# Altium PCB BurnerFinderMkI.PcbDoc
Units mm, origin at the board's own origin, x right, y up, seen from the top; angles counter-clockwise.
Board outline 60.05 x 62.65 mm, 2 copper layers (Top Layer, Bottom Layer), stack 1.661 mm thick; 26 components, 16 nets, 125 pads, 32 vias.
Unrouted connection lines stored in the file: 6.
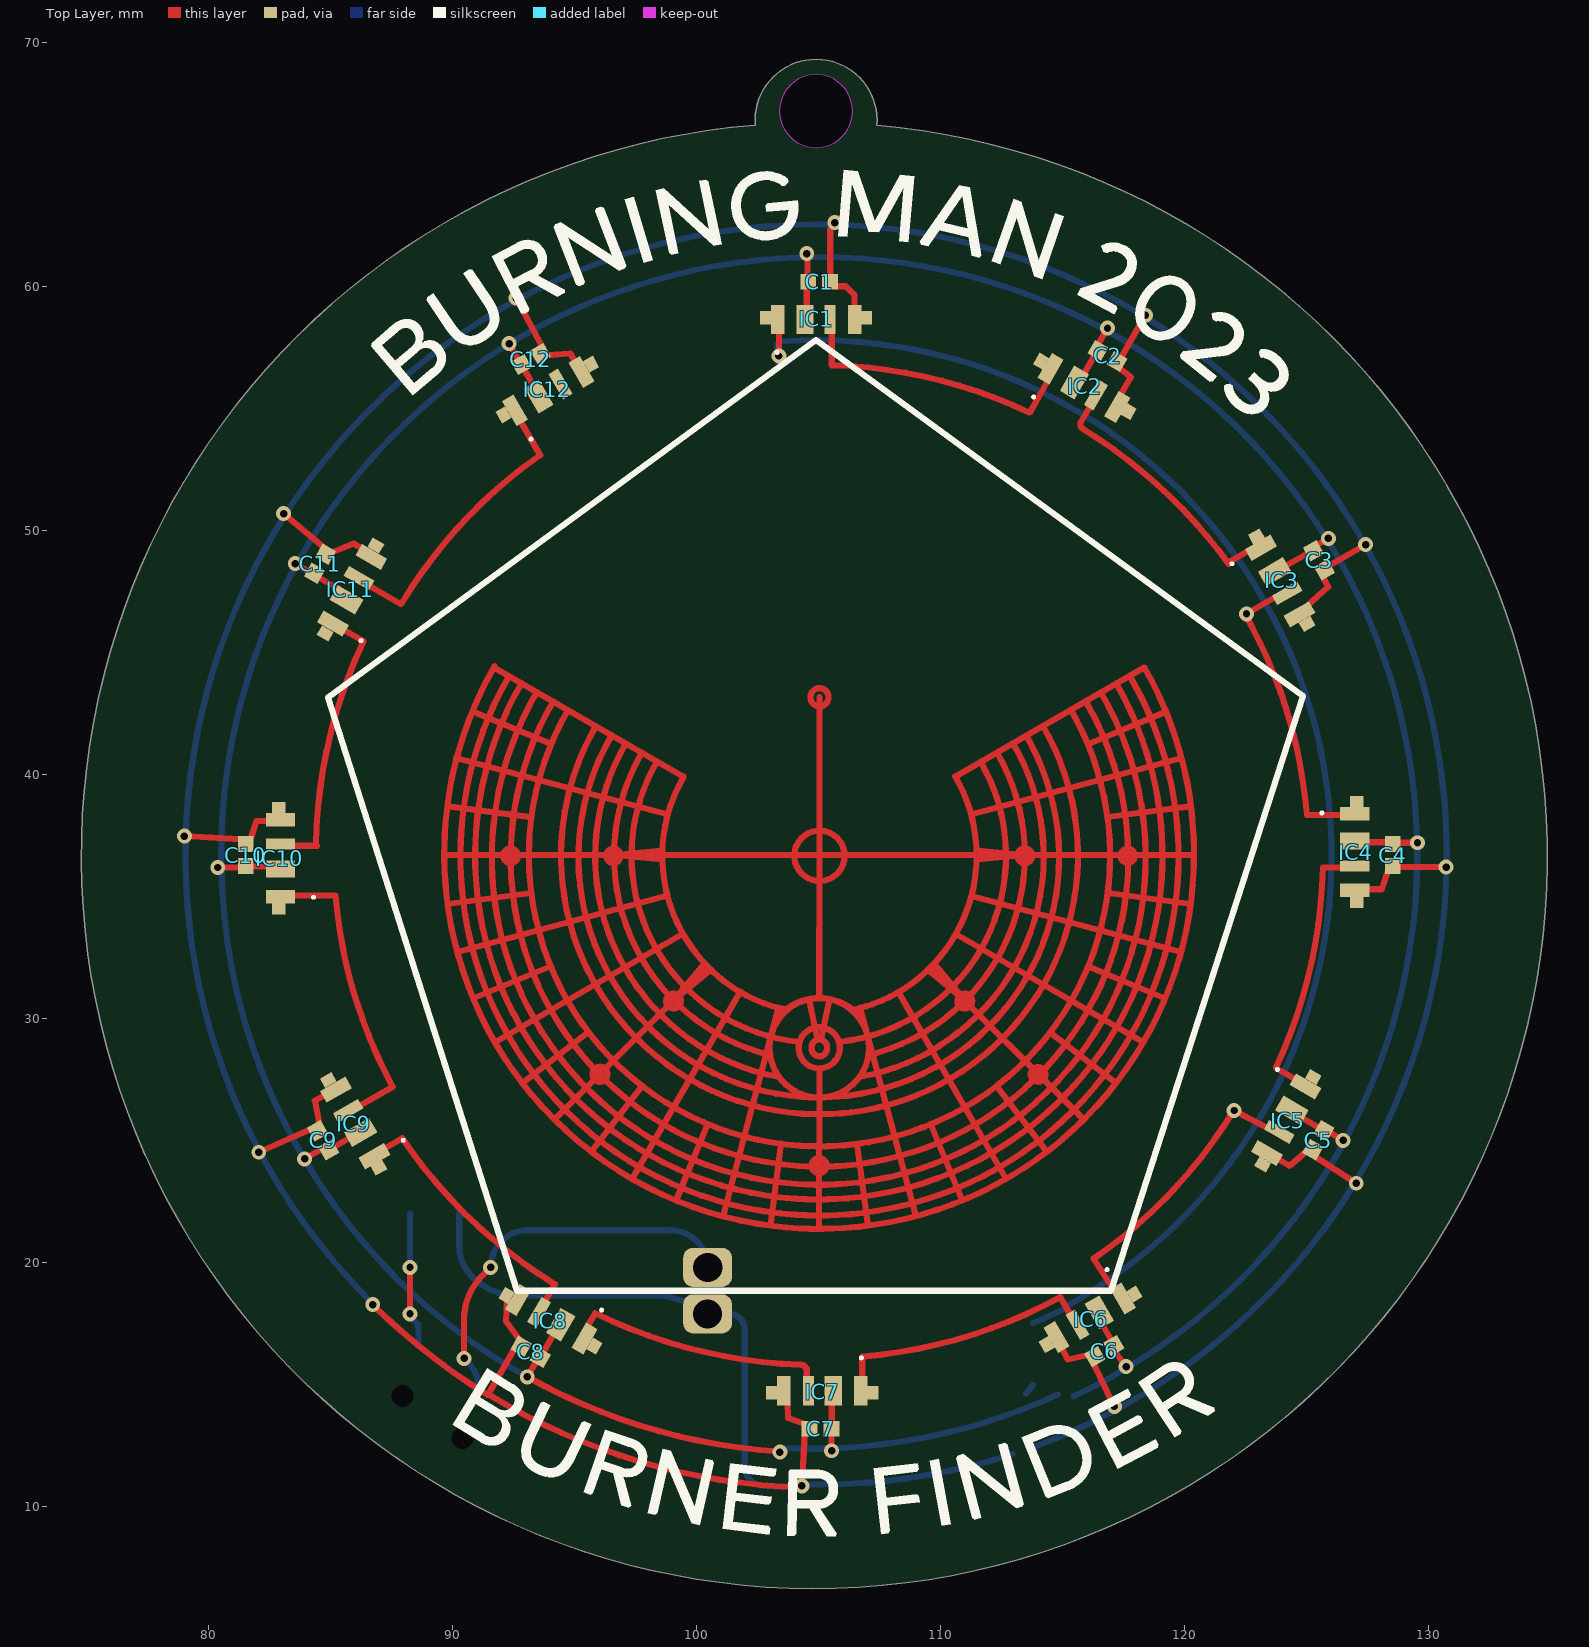
[diagram p0: Top Layer view]
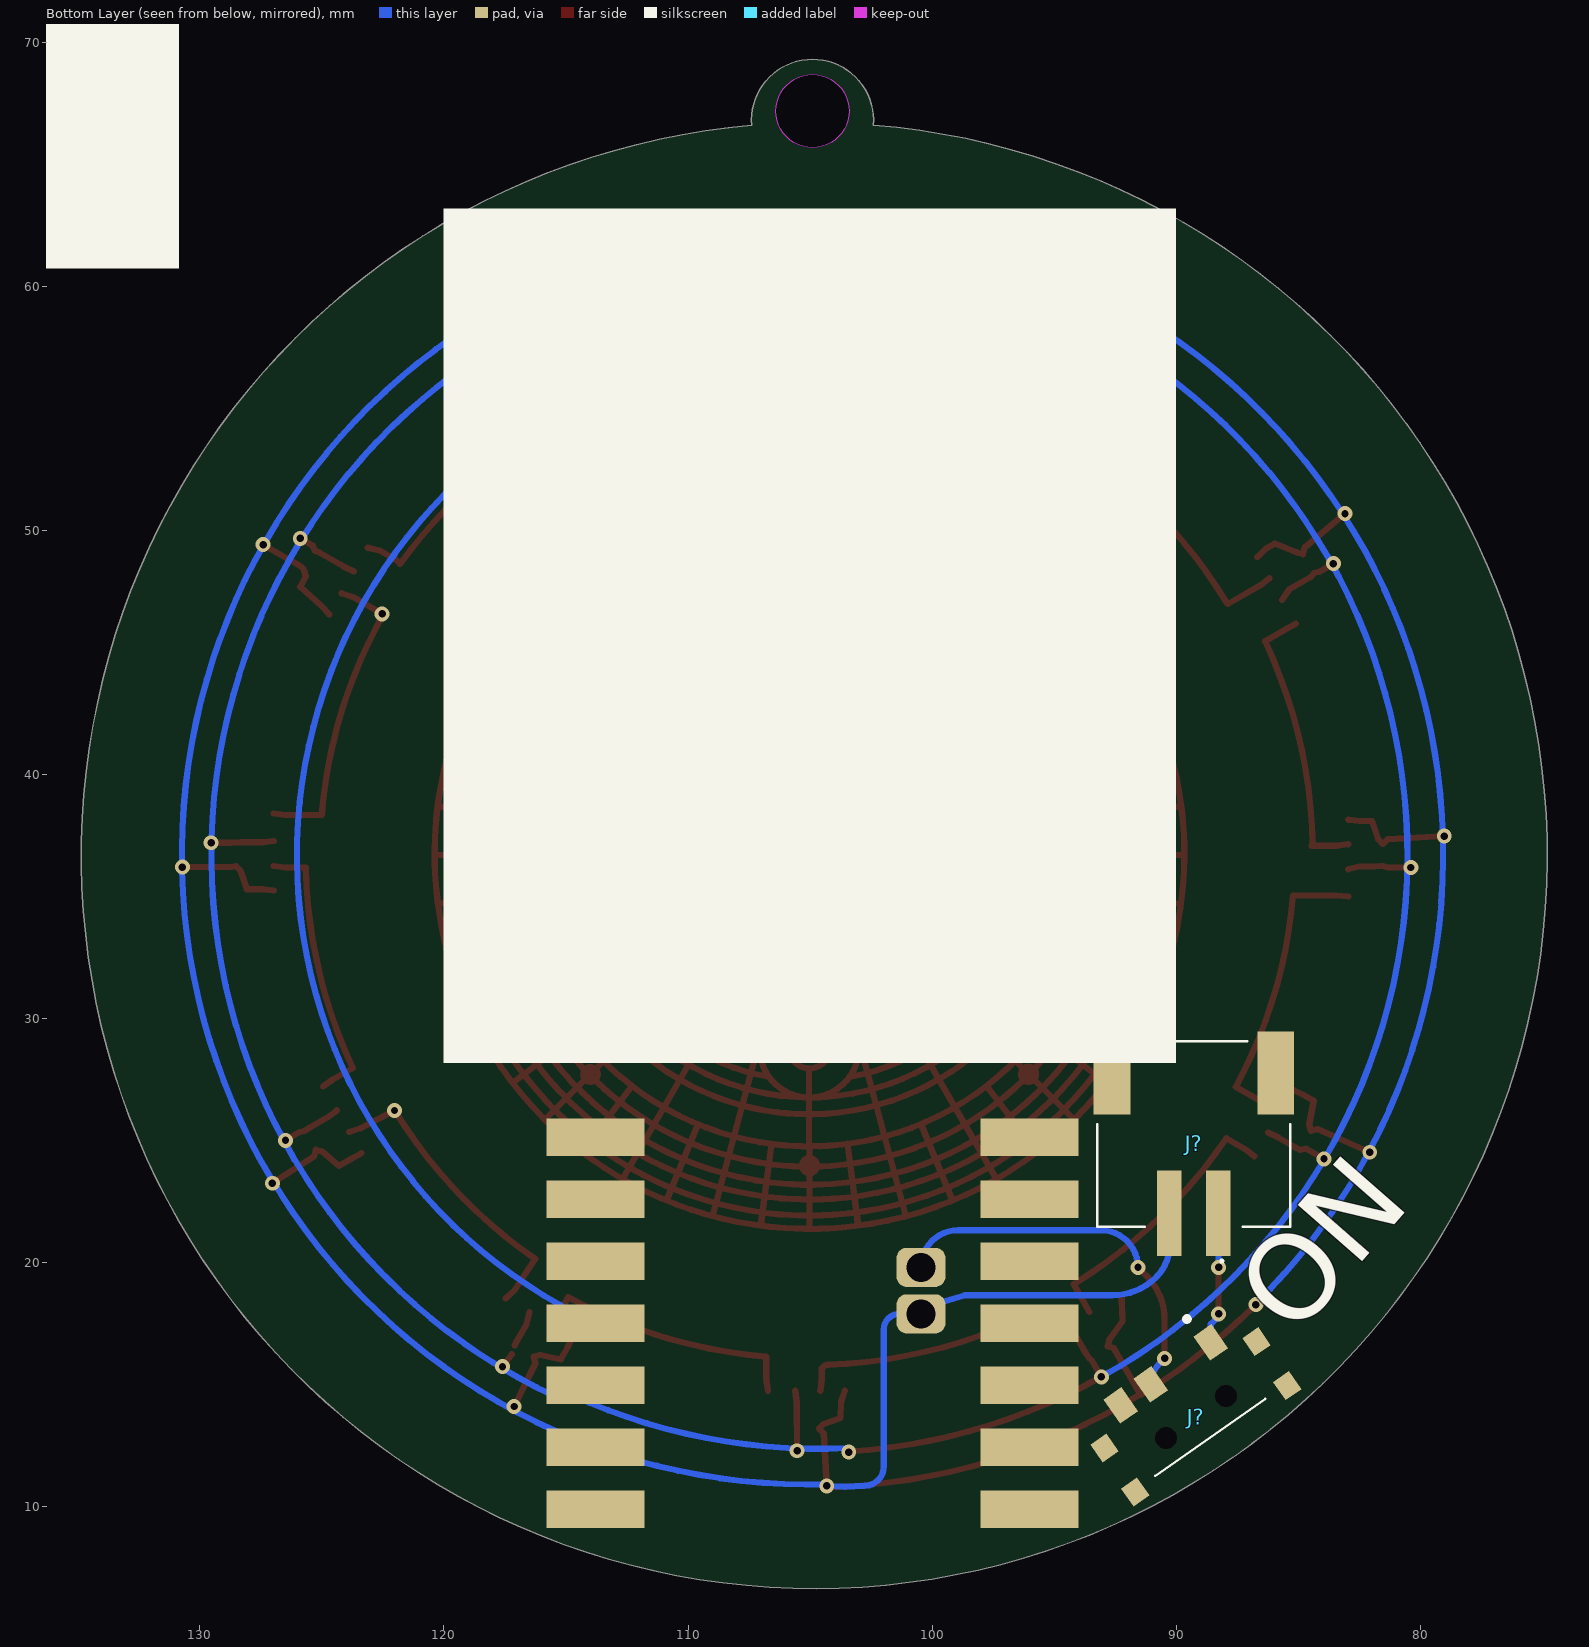
[diagram p1: Bottom Layer view, seen from below]

## Layer stack, top to bottom
Top Solder: solder mask 0.0102, Solder Resist, Dk 3.5
Top Layer: signal copper 0.0356
Dielectric 1: dielectric 1.59, FR-4, Dk 4.8
Bottom Layer: signal copper 0.0356
Bottom Solder: solder mask 0.0102, Solder Resist, Dk 3.5

## Board outline
102.409,66.61 ccw(c104.829,36.68) 107.394,66.598 107.394,66.602 ccw(c104.902,66.802)
cut-out: 103.402,67.183 ccw(c104.902,67.183) 104.902,65.683 ccw(c104.902,67.183) 106.402,67.183 ccw(c104.902,67.183) 104.902,68.683 ccw(c104.902,67.183)

## Design rules (kind name [scope] priority, off if disabled: settings)
Clearance Clearance_1 [All] p1: gap=0.254 ignorepadtopadclearanceinfootprint=FALSE except(0: Arc-Hole Track-Hole SMDPad-Hole THPad-Hole Via-Hole Fill-Hole Poly-Hole Region-Hole Text-Hole)
Clearance [All] p2: gap=0.254 ignorepadtopadclearanceinfootprint=FALSE except(0: Arc-Hole Track-Hole SMDPad-Hole THPad-Hole Via-Hole Fill-Hole Poly-Hole Region-Hole Text-Hole)
PolygonConnect [All] p1: connectstyle=Relief reliefconductorwidth=0.254 reliefentries=4 polygonreliefangle="90 Angle" airgapwidth=0.254
RoutingVias [All] p1: holewidth=0.711 width=1.27 viastyle="Through Hole" minholewidth=0.711 minwidth=1.27 maxholewidth=0.711 maxwidth=1.27
SolderMaskExpansion [All] p1: expansion=0.102 istentingtop=FALSE
Width [All] p1: maxlimit=0.254 minlimit=0.254 preferedwidth=0.254
30 further rules are at their usual default settings.

## Components (designator, comment, footprint, x,y, rotation, side; value= is the part's Value field where it differs from the comment)
C1 "04023A0R8CAT2A" CAPC1005X56N 105.029,60.198 r0 top
C2 "04023A0R8CAT2A" CAPC1005X56N 116.84,57.15 r330 top
C3 "04023A0R8CAT2A" CAPC1005X56N 125.505,48.777 r300 top
C4 "04023A0R8CAT2A" CAPC1005X56N 128.524,36.703 r270 top
C5 "04023A0R8CAT2A" CAPC1005X56N 125.476,25.019 r240 top
C6 "04023A0R8CAT2A" CAPC1005X56N 116.713,16.383 r210 top
C7 "04023A0R8CAT2A" CAPC1005X56N 105.087,13.208 r180 top
C8 "04023A0R8CAT2A" CAPC1005X56N 93.209,16.354 r150 top
C9 "04023A0R8CAT2A" CAPC1005X56N 84.709,25.019 r120 top
C10 "04023A0R8CAT2A" CAPC1005X56N 81.534,36.703 r90 top
C11 "04023A0R8CAT2A" CAPC1005X56N 84.582,48.641 r60 top
C12 "04023A0R8CAT2A" CAPC1005X56N 93.218,57.023 r30 top
IC1 "SK6812_SIDE-A" SK6812SIDEA 104.902,58.547 r0 top
IC2 "SK6812_SIDE-A" SK6812SIDEA 115.824,55.753 r330 top
IC3 "SK6812_SIDE-A" SK6812SIDEA 123.825,47.879 r300 top
IC4 "SK6812_SIDE-A" SK6812SIDEA 126.873,36.83 r270 top
IC5 "SK6812_SIDE-A" SK6812SIDEA 124.079,25.908 r240 top
IC6 "SK6812_SIDE-A" SK6812SIDEA 116.06,17.838 r210 top
IC7 "SK6812_SIDE-A" SK6812SIDEA 105.156,14.859 r180 top
IC8 "SK6812_SIDE-A" SK6812SIDEA 94.107,17.78 r150 top
IC9 "SK6812_SIDE-A" SK6812SIDEA 86.106,25.781 r120 top
IC10 "SK6812_SIDE-A" SK6812SIDEA 83.058,36.576 r90 top
IC11 "SK6812_SIDE-A" SK6812SIDEA 85.979,47.498 r60 top
IC12 "SK6812_SIDE-A" SK6812SIDEA 93.98,55.626 r30 top
J? "SK-3296S-01-L1" SK3296S01L1 89.912,14.711 r145 bottom
J? "S2B-PH-SM4-TB_LF__SN_" S2BPHSM4TBLFSN 89.281,25.273 r180 bottom

## Footprints (in the part's own frame and the unit in brackets; to place one, negate y for a bottom-side part, rotate by r counter-clockwise, add the part's x,y. Pads: shape width x height; smd on the part's side, far side on the other; paste and mask are expansions set on the pad)
CAPC1005X56N [mm]
  rect 0.65x0.64 smd: 1(-0.45,0) 2(0.45,0)
  body extent -0.5,-0.25 0.5,0.25, height 0.56
S2BPHSM4TBLFSN [mm]
  rect 1x3.5 smd: 1(1,-3.25) 2(-1,-3.25)
  rect 1.5x3.4 smd: MP1(3.35,2.5) MP2(-3.35,2.5)
  silkscreen extent -3.95,-5.25 3.95,3.8, body extent 0.05,-0.85 7.95,7.75, height 5.6
SK3296S01L1 [mm]
  rect 0.9x1.2 smd: 1(2.25,0.9) 2(-0.75,0.9) 3(-2.25,0.9)
  round 0.45 hole 0.9 unplated: MH1(-1.5,-1.25) MH2(1.5,-1.25)
  rect 0.8x0.9 smd: MP1(-3.8,-0.15) MP2(3.8,-0.15) MP3(3.8,-2.35) MP4(-3.8,-2.35)
  silkscreen extent -2.75,-2.28 2.75,2.35, body extent -3.85,-4.19 3.95,1.05, height 1.32
SK6812SIDEA [mm]
  rect 0.55x1.2 smd: 1(-1.575,0.1) 4(1.575,0.1)
  rect 0.7x1.2 smd: 2(-0.45,0.1)
  rect 0.45x1.2 smd: 3(0.575,0.1)
  rect 0.45x0.55 smd: 5(-2.075,0.175) 6(2.075,0.175)
  silkscreen extent -1.65,-1.3 -1.55,-1.2, body extent -2,-0.8 2,0.8, height 2.15

## Part data
C1 C2 C3 C4 C5 C6 C7 C8 C9 C10 C11 C12: "Capacitor", Manufacturer_Name=AVX, Mouser Part Number=581-04023A0R8CAT2A, Datasheet Link=http://www.mouser.com/catalog/supplier/library/pdf/AVXSurfaceMountCeramic.pdf, Height=0.56mm, Manufacturer_Part_Number=04023A0R8CAT2A, Mouser Price/Stock=https://www.mouser.co.uk/ProductDetail/AVX/04023A0R8CAT2A?qs=ZwvTZoB9SO%252BVBOZ%252BNMbjzw%3D%3D
IC1 IC2 IC3 IC4 IC5 IC6 IC7 IC8 IC9 IC10 IC11 IC12: "Integrated Circuit", Manufacturer_Name="Shenzhen Normand Electronic", Manufacturer_Part_Number="SK6812 SIDE-A", Datasheet Link=http://www.normandled.com/upload/201810/SK6812%20SIDE-A%20LED%20Datasheet.pdf, Height=2.05mm
J?: "Connector", Manufacturer_Name="XKB Connectivity", Datasheet Link=https://datasheet.lcsc.com/szlcsc/XKB-SK-3296S-01-L1_C319020.pdf, Height=1.4mm, Manufacturer_Part_Number=SK-3296S-01-L1
J?: "Connector", Arrow Part Number=S2B-PH-SM4-TB(LF)(SN), Manufacturer_Name="JST (JAPAN SOLDERLESS TERMINALS)", Arrow Price/Stock=https://www.arrow.com/en/products/s2b-ph-sm4-tb-lf-sn/jst-manufacturing?region=europe, Datasheet Link=https://www.jst-mfg.com/product/pdf/eng/ePH.pdf, Height=6.6mm, Manufacturer_Part_Number=S2B-PH-SM4-TB(LF)(SN)

## Free pads (board coordinates)
  rect 4x1.524 smd far side: 2(96.012,9.906) 2(96.012,12.446) 2(96.012,14.986) 2(96.012,17.526) 2(96.012,20.066) 2(96.012,22.606) 2(96.012,25.146) 2(113.792,9.906) 2(113.792,12.446) 2(113.792,14.986) 2(113.792,17.526) 2(113.792,20.066) 2(113.792,22.606) 2(113.792,25.146)
  rrect50% 2x1.6 hole 1.2: 3(100.458,19.812) 4(100.457,17.907)

## Via types
v1: diameter 0.61, hole 0.305, Top Layer to Bottom Layer, tented both sides, 32 vias

## Nets (pads, with @x,y where several pads share a name; then routed paths per layer and width w, separated by ;. In a path a pad name is that pad's centre, name@x,y a point inside that pad or via, vN(x,y) a via of type N, cw(c..) or ccw(c..) an arc to the next point about the centre after c; other vN are vias at no path point)
3V3: C1.1 C2.1 C3.1 C4.1 C5.1 C6.1 C7.1 C8.1 C9.1 C10.1 C11.1 C12.1 IC1.2 IC2.2 IC3.2 IC4.2 IC5.2 IC6.2 IC7.2 IC8.2 IC9.2 IC10.2 IC11.2 IC12.2 pad.2@113.792,14.986 | length 183.8
  Top Layer w0.254: v1(80.391,36.195) 81.341,36.195 C10.1 ; C10.1@81.661,36.253 81.854,36.234 82.485,36.234 IC10.2 ; v1(83.566,48.641) 84.161,48.298 C11.1 84.49,48.096 85.369,47.588 IC11.2 ; v1(83.947,24.257) 84.681,24.681 C9.1 85.104,24.721 85.818,25.134 IC9.2 ; v1(92.329,57.658) 92.73,56.964 C12.1 92.92,56.628 93.333,55.914 IC12.2 ; IC8.2 94.161,17.087 93.702,16.292 C8.1 93.452,15.991 v1(93.071,15.33) ccw(c105.029,36.703) v1@103.42,12.265 ; IC1.2 104.516,58.71 104.516,60.134 C1.1 104.55,60.227 104.55,61.312 v1(104.521,61.341) ; 105.479,60.198 105.488,60.005 ; v1@105.537,12.319 C7.1 105.546,13.401 105.546,14.286 IC7.2 ; IC2.2 115.859,56.394 116.335,57.219 C2.1 116.442,57.603 v1(116.84,58.293) ; IC6.2 116.614,17.496 117.024,16.786 C6.1 ; IC3.2 124.112,48.528 124.958,49.016 125.097,49.097 C3.1 125.379,49.381 v1(125.887,49.674) ; IC5.2 124.769,25.957 125.538,25.513 C5.1 125.897,25.362 v1(126.492,25.019) ; IC4.2 127.446,37.226 128.331,37.226 128.527,37.219 128.717,37.211 v1(129.54,37.211)
  Bottom Layer w0.254: v1@93.218,15.24 93.069,15.326 92.294,15.773 cw(c105.029,36.703) pad.2@115.448,14.529 ; v1@103.446,12.409 ccw(c104.608,36.883) pad.2@114.808,14.605 ; pad.2@113.501,14.646 113.535,14.679 113.543,14.688 113.548,14.694 ccw(c113.355,14.859) 113.55,14.696 pad.2@113.792,14.986
  other v1: 103.418,12.246 105.536,12.3 117.602,15.748
DIN: IC1.1 pad.2@113.792,17.526 | length 60.8
  Top Layer w0.254: IC1.1 103.378,58.174 v1(103.378,57.15)
  Bottom Layer w0.254: 103.374,57.68 103.3,57.606 103.3,57.501 103.3,57.471 v1@103.375,57.152 ; 103.375,57.68 103.442,57.748 cw(c104.908,36.684) 115.226,18.263 115.176,18.214 115.176,18.161 pad.2@113.79,17.53
GND: C1.2 C2.2 C3.2 C4.2 C5.2 C6.2 C7.2 C8.2 C9.2 C10.2 C11.2 C12.2 IC1.4 IC1.6 IC2.4 IC2.6 IC3.4 IC3.6 IC4.4 IC4.6 IC5.4 IC5.6 IC6.4 IC6.6 IC7.4 IC7.6 IC8.4 IC8.6 IC9.4 IC9.6 IC10.4 IC10.6 IC11.4 IC11.6 IC12.4 IC12.6 J?.2@90.281,22.023 pad.2@113.792,12.446 pad.4 | length 239.5
  Top Layer w0.254: v1(79.024,37.482) 81.341,37.351 C10.2 81.727,37.351 81.983,38.1 82.485,38.1 IC10.4 ; v1(82.072,24.528) 84.218,25.484 C9.2 84.552,25.677 84.367,26.639 84.804,26.891 IC9.4 ; v1(83.088,50.69) 84.739,49.299 C11.2 85.073,49.106 85.968,49.463 86.331,49.254 IC11.4 ; v1(86.741,18.288) ccw(c105.029,36.703) 91.448,14.587 ; IC8.6 92.233,18.489 92.205,17.606 92.745,16.845 C8.2 92.558,16.507 91.47,14.622 ccw(c105.029,36.703) v1@104.319,10.801 ; v1(92.613,59.519) 93.683,57.514 C12.2 93.876,57.18 94.827,57.256 95.035,56.897 IC12.4 ; IC7.4 103.729,14.286 103.752,13.646 104.439,13.401 C7.2 104.439,13.015 v1(104.321,10.863) ; v1(105.664,62.611) 105.664,62.515 105.479,62.33 C1.2 105.672,60.005 106.111,60.005 106.477,59.639 IC1.4 ; IC6.4 114.939,16.528 115.217,16.046 116.055,16.226 C6.2 116.248,15.892 v1(117.124,14.114) ; IC2.4 117.359,55.529 117.793,56.281 117.305,56.659 C2.2 117.379,57.061 v1(118.394,58.818) ; IC5.4 123.791,24.262 124.295,23.971 124.985,24.554 C5.2 125.319,24.361 v1(127.03,23.258) ; IC3.4 125.035,46.93 125.883,47.692 125.662,48.119 C3.2 125.87,48.531 v1(127.411,49.42) ; IC4.4 127.446,35.306 128.075,35.306 128.331,36.055 C4.2 128.717,36.212 v1(130.713,36.212)
  Bottom Layer w0.254: v1@86.761,18.309 cw(c104.902,36.703) pad.2@113.792,12.446 ; J?.2@90.281,22.023 90.281,20.696 ccw(c92.07,20.696) 90.805,19.431 90.823,19.413 ccw(c92.619,21.209) 92.619,18.669 98.679,18.669 99.107,18.538 99.857,18.307 pad.4 101.346,17.907 cw(c101.346,17.272) 101.981,17.272 101.981,11.659 ccw(c102.772,11.659) 102.581,10.891 ccw(c102.772,11.659) 102.772,10.868 103.566,10.83 v1(104.321,10.863) ; v1@104.322,10.927 ccw(c105.029,36.703) pad.2@112.953,12.165
NetIC1_3: IC1.3 IC2.1 | length 12.8
  Top Layer w0.254: IC1.3@105.537,58.174 IC1.3 105.54,58.174 105.54,56.769 cw(c105.029,36.703) 113.649,54.83 114.402,56.143 IC2.1
NetIC2_3: IC2.3 IC3.1 | length 11.1
  Top Layer w0.254: IC2.3 116.147,55.136 115.774,54.489 115.74,54.43 115.74,54.362 115.74,54.256 115.814,54.182 115.835,54.161 cw(c104.697,36.149) 121.807,48.628 ; 121.92,48.768 122.641,49.184 IC3.1
NetIC3_3: IC3.3 IC4.1 | length 12.6
  Top Layer w0.254: v1@122.418,46.676 cw(c105.029,36.703) 125.007,38.347 126.5,38.347 IC4.1 ; v1(122.534,46.587) 123.74,47.279 IC3.3
NetIC4_3: IC4.3 IC5.1 | length 11.2
  Top Layer w0.254: IC5.1 124.568,27.501 123.736,27.981 ccw(c105.029,36.703) 125.663,36.197 126.5,36.197 IC4.3
NetIC5_3: IC5.3 IC6.1 | length 12.5
  Top Layer w0.254: IC6.1 117.11,18.874 116.264,20.165 ccw(c104.893,36.674) v1@122.014,26.248 ; v1(122.025,26.241) 123.419,25.512 IC5.3
NetIC6_3: IC6.3 IC7.1 IC7.5 | length 11.7
  Top Layer w0.254: IC7.1 106.794,15.232 106.794,16.152 ccw(c105.029,36.703) 114.906,18.595 115.336,17.85 IC6.3 IC6.3@115.291,17.824
NetIC7_3: IC7.3 IC8.1 IC8.5 | length 11.1
  Top Layer w0.254: IC8.1 95.532,17.388 95.73,17.732 95.848,17.936 ccw(c105.024,36.664) 104.277,15.823 cw(c104.267,15.569) 104.288,15.822 104.373,15.816 104.436,15.759 cw(c104.267,15.569) 104.457,15.738 104.521,15.668 104.521,15.571 cw(c104.267,15.569) 104.521,15.569 104.521,15.232 IC7.3
NetIC8_3: IC8.3 IC9.1 IC9.5 pad.2@96.012,17.526 pad.2@96.012,20.066 pad.2@96.012,22.606 pad.2@96.012,25.146 | length 11.4
  Top Layer w0.254: IC9.1 87.183,24.662 87.949,25.104 ccw(c105.029,36.703) 94.201,19.123 93.782,18.398 IC8.3
NetIC9_3: IC9.3 IC10.1 IC10.5 | length 12.5
  Top Layer w0.254: IC10.1 83.431,35.052 85.217,35.052 ccw(c105.029,36.703) 87.561,27.21 ; IC9.3 86.173,26.41 87.503,27.178
NetIC10_3: IC10.3 IC11.1 IC11.5 | length 11.6
  Top Layer w0.254: IC10.3 83.431,37.084 84.455,37.084 ; 84.409,37.085 cw(c105.029,36.703) 86.36,45.466 85.517,45.952 IC11.1
NetIC11_3: IC11.3 IC12.1 IC12.5 | length 12.5
  Top Layer w0.254: IC11.3 86.558,47.755 87.884,46.99 ; 87.935,47.039 cw(c105.029,36.703) 93.599,53.086 92.781,54.503 IC12.1
VBA: J?.1 | length 5.4
  Top Layer w0.254: v1(88.265,17.907) v1(88.265,19.812)
  Bottom Layer w0.254: v1(88.265,17.907) 88.265,17.811 88.585,17.49 88.585,17.39 88.614,17.362 88.614,16.767 J?.1@88.585,16.739 ; v1(88.265,19.812) 88.265,22.007 J?.1@88.281,22.023
VBAT_SW: J?.2@91.043,15.018 pad.3 | length 15.9
  Top Layer w0.254: v1(90.479,16.083) 90.479,17.672 cw(c93.019,17.672) 91.223,19.468 v1(91.567,19.812)
  Bottom Layer w0.254: v1(90.479,16.083) 90.689,15.874 cw(c89.833,15.018) J?.2@91.043,15.018 ; v1(91.567,19.812) cw(c93.091,19.812) 93.091,21.336 98.934,21.336 cw(c98.934,19.812) pad.3
pads on no net: IC1.5 IC2.5 IC3.5 IC4.5 IC5.5 IC6.5 IC12.3 J?.3 J?.MH1 J?.MH2 J?.MP1 J?.MP2 J?.MP3 J?.MP4
copper on no net: | length 851.5
  Top Layer w0.254: 89.675,36.703 120.377,36.703 ; 89.804,34.699 93.234,35.151 ; 89.804,38.707 93.241,38.254 ; 90.149,40.689 98.826,38.364 ; 90.204,32.732 98.812,35.038 ; 90.834,42.582 94.048,41.25 ; 90.862,30.836 94.028,32.148 ; 91.721,44.385 99.473,39.909 ccw(c105,36.688) 98.616,37.092 ccw(c105.129,36.675) 98.603,36.749 ccw(c105.172,36.674) 98.602,36.674 ccw(c105.145,36.674) 98.61,36.349 ccw(c105.079,36.671) 98.647,35.909 ccw(c104.998,36.66) 99.448,33.483 ; 91.732,44.437 ccw(c104.924,36.783) 89.777,38.569 ccw(c105.118,36.756) 89.689,37.524 ccw(c105.277,36.748) 89.67,36.747 ccw(c105.34,36.747) 89.672,36.521 ccw(c105.232,36.745) 89.706,35.683 ccw(c104.931,36.714) 91.719,29.079 ccw(c105.027,36.751) 103.161,21.503 ccw(c105.017,36.837) 104.229,21.412 ccw(c105.025,36.998) 105.026,21.391 105.196,21.392 ccw(c105.028,36.961) 106.025,21.423 ccw(c105.029,36.745) 118.333,29.079 ccw(c105.119,36.715) 119.759,32.404 ccw(c105.104,36.716) 120.276,34.939 ccw(c104.928,36.738) 120.362,35.972 ccw(c104.769,36.746) 120.381,36.747 120.38,36.939 ccw(c104.818,36.749) 120.348,37.774 ccw(c105.12,36.779) 118.345,44.393 118.331,44.385 110.6,39.921 cw(c105.086,36.69) 111.28,38.267 cw(c105.067,36.687) 111.435,37.42 cw(c104.997,36.678) 111.47,36.996 cw(c104.93,36.675) 111.478,36.674 cw(c104.913,36.674) 111.476,36.531 cw(c104.963,36.673) 111.458,36.165 cw(c105.084,36.66) 110.625,33.47 ; 91.749,29.038 99.448,33.483 ; 92.323,44.037 ccw(c104.949,36.677) 90.366,37.64 ccw(c105.241,36.648) 90.334,36.848 ccw(c105.342,36.646) 90.333,36.646 ccw(c105.283,36.645) 90.352,35.9 ccw(c105.132,36.637) 90.435,34.909 ccw(c104.961,36.615) 90.972,32.343 ccw(c104.951,36.615) 92.273,29.34 ccw(c105.037,36.644) 104.081,21.97 ccw(c105.038,36.851) 104.876,21.94 105.04,21.939 ccw(c105.041,36.886) 105.805,21.958 ccw(c105.049,36.732) 106.83,22.047 ccw(c105.038,36.65) 117.8,29.328 ccw(c105.126,36.615) 119.715,35.671 ccw(c104.838,36.644) 119.746,36.47 119.747,36.646 ccw(c104.797,36.646) 119.729,37.386 ccw(c104.948,36.654) 119.646,38.377 ccw(c105.135,36.68) 117.75,44.049 ; 92.834,43.742 ccw(c104.925,36.704) 90.965,37.625 ccw(c105.203,36.676) 90.935,36.86 ccw(c105.3,36.674) 90.934,36.674 ccw(c105.243,36.674) 90.952,35.957 ccw(c105.098,36.666) 91.033,34.996 ccw(c104.921,36.642) 92.809,29.65 ccw(c105.008,36.673) 104.095,22.626 ccw(c105.01,36.872) 104.855,22.598 105.011,22.597 ccw(c105.012,36.904) 105.743,22.615 ccw(c105.02,36.757) 106.724,22.7 ccw(c105.009,36.68) 117.221,29.662 ccw(c105.088,36.646) 119.062,35.793 ccw(c104.81,36.673) 119.089,36.552 119.089,36.674 ccw(c104.782,36.675) 119.071,37.387 ccw(c104.927,36.683) 118.99,38.353 ccw(c105.101,36.706) 117.196,43.729 ; 92.865,27.372 95.577,29.453 ; 93.466,43.377 ccw(c104.934,36.616) 91.647,37.437 ccw(c105.206,36.59) 91.621,36.722 ccw(c105.293,36.589) 91.621,36.589 ccw(c105.232,36.588) 91.638,35.907 ccw(c105.093,36.581) 91.716,34.981 ccw(c104.926,36.558) 93.367,29.972 ccw(c105.009,36.588) 104.106,23.228 ccw(c105.01,36.772) 104.847,23.199 105.011,23.198 ccw(c105.012,36.809) 105.711,23.216 ccw(c105.02,36.669) 106.634,23.295 ccw(c105.01,36.593) 116.663,29.984 ccw(c105.092,36.56) 118.369,35.631 ccw(c104.834,36.586) 118.401,36.366 118.402,36.589 ccw(c104.792,36.589) 118.385,37.274 ccw(c104.93,36.596) 118.306,38.203 ccw(c105.094,36.619) 116.564,43.365 ; 94.132,42.992 ccw(c104.963,36.615) 92.421,37.437 ccw(c105.213,36.59) 92.394,36.75 ccw(c105.299,36.589) 92.393,36.589 ccw(c105.249,36.588) 92.409,35.947 ccw(c105.119,36.581) 92.481,35.088 ccw(c104.956,36.559) 94.033,30.356 ccw(c105.037,36.587) 104.17,23.971 ccw(c105.038,36.759) 104.87,23.943 105.04,23.942 ccw(c105.041,36.796) 105.701,23.959 ccw(c105.048,36.664) 106.572,24.033 ccw(c105.039,36.591) 116.04,30.344 ccw(c105.12,36.561) 117.654,35.663 ccw(c104.88,36.586) 117.685,36.371 117.687,36.589 ccw(c104.833,36.589) 117.671,37.238 ccw(c104.964,36.596) 117.596,38.111 ccw(c105.122,36.618) 115.941,43.005 ; 94.196,25.873 100.466,32.144 ; 94.739,42.642 ccw(c104.968,36.7) 93.167,37.522 ccw(c105.198,36.676) 93.139,36.863 ccw(c105.283,36.674) 93.137,36.674 ccw(c105.239,36.674) 93.152,36.07 ccw(c105.116,36.667) 93.22,35.259 ccw(c104.965,36.647) 94.714,30.75 ccw(c105.038,36.674) 104.264,24.796 ccw(c105.039,36.84) 104.908,24.772 105.04,24.771 ccw(c105.041,36.87) 105.658,24.787 ccw(c105.047,36.746) 106.487,24.858 ccw(c105.039,36.678) 115.359,30.737 ccw(c105.109,36.65) 116.918,35.889 ccw(c104.874,36.673) 116.942,36.538 116.943,36.674 ccw(c104.842,36.675) 116.928,37.279 ccw(c104.965,36.681) 116.86,38.092 ccw(c105.115,36.702) 115.334,42.654 ; 95.706,24.557 97.771,27.248 ; 95.879,41.984 ccw(c104.973,36.698) 94.481,37.44 ccw(c105.178,36.676) 94.455,36.854 ccw(c105.255,36.674) 94.453,36.674 ccw(c105.217,36.674) 94.467,36.137 ccw(c105.107,36.668) 94.527,35.416 ccw(c104.972,36.65) 95.854,31.408 ccw(c105.038,36.674) 104.338,26.11 ccw(c105.039,36.82) 104.911,26.088 105.04,26.088 ccw(c105.041,36.848) 105.59,26.102 ccw(c105.046,36.738) 106.327,26.165 ccw(c105.039,36.677) 114.219,31.395 ccw(c105.106,36.651) 115.6,35.92 ccw(c104.899,36.673) 115.625,36.496 115.627,36.674 ccw(c104.864,36.675) 115.614,37.207 ccw(c104.973,36.68) 115.555,37.919 ccw(c105.109,36.699) 114.194,41.996 ; 96.527,41.61 ccw(c104.956,36.637) 95.188,37.246 ccw(c105.151,36.618) 95.169,36.715 ccw(c105.215,36.617) 95.169,36.617 ccw(c105.175,36.617) 95.181,36.121 ccw(c105.074,36.612) 95.236,35.456 ccw(c104.946,36.594) 96.452,31.753 ccw(c105.009,36.616) 104.335,26.797 ccw(c105.01,36.75) 104.88,26.775 105.011,26.774 ccw(c105.012,36.778) 105.526,26.788 ccw(c105.017,36.676) 106.205,26.846 ccw(c105.01,36.62) 113.578,31.766 ccw(c105.069,36.597) 114.831,35.94 ccw(c104.88,36.616) 114.853,36.485 114.854,36.617 ccw(c104.848,36.618) 114.842,37.116 ccw(c104.95,36.623) 114.785,37.788 ccw(c105.073,36.64) 113.503,41.598 ; 97.106,41.276 ccw(c104.984,36.665) 95.876,37.264 ccw(c105.166,36.647) 95.856,36.767 ccw(c105.229,36.646) 95.855,36.646 ccw(c105.192,36.645) 95.867,36.182 ccw(c105.098,36.641) 95.919,35.561 ccw(c104.991,36.627) 96.264,33.93 ccw(c104.984,36.627) 97.056,32.102 ccw(c105.045,36.653) 103.389,27.61 ; 97.369,23.441 101.798,31.112 ; 97.763,40.897 ccw(c104.99,36.692) 96.646,37.238 ccw(c105.155,36.675) 96.629,36.78 ccw(c105.213,36.674) 96.628,36.674 ccw(c105.178,36.674) 96.639,36.244 ccw(c105.091,36.669) 96.688,35.663 ccw(c104.986,36.655) 97.738,32.495 ccw(c105.049,36.686) 103.021,28.507 ; 98.386,40.537 ccw(c104.962,36.691) 97.36,37.19 ccw(c105.114,36.675) 97.344,36.776 ccw(c105.167,36.674) 97.343,36.674 ccw(c105.136,36.674) 97.353,36.28 ccw(c105.056,36.67) 97.398,35.75 ccw(c104.959,36.656) 98.361,32.855 ccw(c105.011,36.675) 104.225,29.046 ; 99.165,22.554 100.461,25.684 ; 101.099,21.969 103.367,30.456 ; 103.028,21.524 103.469,24.874 ; 104.961,29.145 cw(c105.037,28.842) 104.967,29.146 ; 105.026,21.381 105.04,27.962 ; 105.028,36.707 105.03,36.699 ; 105.032,30.837 105.036,36.703 105.04,43.17 ; 105.034,36.695 105.03,36.699 ; 105.84,29.05 ccw(c105.011,36.675) 111.669,32.867 ccw(c105.062,36.657) 112.623,35.737 ccw(c104.97,36.67) 112.67,36.278 ccw(c104.891,36.674) 112.68,36.674 112.679,36.754 ccw(c104.908,36.675) 112.664,37.171 ccw(c105.059,36.69) 111.644,40.524 ; 106.583,24.871 107.024,21.524 ; 106.675,27.607 ccw(c105.036,36.653) 113.017,32.089 ccw(c105.097,36.625) 114.159,35.539 ccw(c104.986,36.64) 114.213,36.176 ccw(c104.891,36.645) 114.225,36.646 114.225,36.717 ccw(c104.905,36.647) 114.208,37.201 ccw(c105.093,36.664) 112.967,41.288 ; 106.705,30.454 108.979,21.974 ; 107.045,28.503 ccw(c105.03,36.686) 112.335,32.483 ccw(c105.092,36.656) 113.391,35.655 ccw(c104.992,36.669) 113.441,36.242 ccw(c104.905,36.674) 113.452,36.674 113.452,36.73 ccw(c104.916,36.675) 113.438,37.176 ccw(c105.088,36.691) 112.31,40.909 ; 108.261,31.099 112.683,23.441 ; 109.594,25.674 110.887,22.554 ; 109.6,32.129 115.856,25.873 ; 111.252,38.371 119.876,40.682 ; 111.266,35.031 119.847,32.732 ; 112.291,27.234 114.354,24.547 ; 114.492,29.439 117.186,27.372 ; 116.042,41.248 119.218,42.564 ; 116.048,32.138 119.189,30.836 ; 116.838,38.258 120.248,38.707 ; 116.846,35.147 120.248,34.699 ; 117.221,16.256 117.602,15.748 ; 118.302,29.038 110.625,33.47 ; 99.448,33.483 ccw(c105.385,36.878) 99.605,33.222 ccw(c105.326,36.84) 99.766,32.978 ccw(c105.27,36.802) 99.935,32.747 ccw(c105.217,36.761) 100.115,32.519 ccw(c105.166,36.719) 100.306,32.301 ccw(c105.117,36.675) 100.513,32.083 ccw(c105.071,36.628) 100.737,31.869 ccw(c105.027,36.581) 100.992,31.649 ccw(c104.987,36.531) 101.293,31.417 ccw(c104.949,36.479) 101.695,31.15 ccw(c104.918,36.427) 103.514,30.405 ccw(c104.946,36.534) 103.673,30.37 103.686,30.381 103.698,30.39 103.709,30.4 103.722,30.409 103.735,30.419 103.748,30.429 103.762,30.439 103.775,30.449 103.789,30.459 103.803,30.468 103.818,30.479 103.834,30.489 103.849,30.499 103.866,30.51 103.883,30.52 103.9,30.531 103.918,30.542 103.937,30.552 103.957,30.564 103.977,30.575 103.999,30.586 104.022,30.598 104.046,30.61 104.07,30.622 104.098,30.635 104.128,30.649 104.16,30.663 cw(c105.02,28.632) 104.197,30.678 cw(c105.029,28.611) 104.239,30.694 cw(c105.037,28.589) 104.291,30.713 cw(c105.045,28.567) 104.363,30.737 cw(c105.051,28.547) 104.707,30.817 cw(c105.044,28.59) 104.763,30.825 cw(c105.041,28.613) 104.811,30.83 cw(c105.039,28.635) 104.853,30.834 cw(c105.037,28.657) 104.891,30.837 104.927,30.839 104.96,30.84 104.991,30.841 105.021,30.842 105.033,30.842 105.064,30.841 105.096,30.841 105.129,30.839 105.164,30.838 105.202,30.835 cw(c105.028,28.641) 105.244,30.831 cw(c105.026,28.619) 105.29,30.826 cw(c105.023,28.596) 105.345,30.819 cw(c105.02,28.573) 105.416,30.807 cw(c105.015,28.548) 105.788,30.709 cw(c105.031,28.594) 105.837,30.691 cw(c105.039,28.615) 105.878,30.674 105.913,30.659 105.946,30.645 105.975,30.632 106.002,30.619 106.026,30.607 106.05,30.595 106.072,30.584 106.094,30.572 106.114,30.561 106.133,30.55 106.151,30.539 106.17,30.528 106.187,30.518 106.204,30.507 106.219,30.497 106.235,30.487 106.25,30.477 106.266,30.467 106.279,30.457 106.293,30.447 106.307,30.437 106.32,30.427 106.334,30.417 106.347,30.407 106.359,30.398 106.371,30.388 106.383,30.378 106.395,30.369 106.396,30.368 ccw(c105.137,36.518) 106.711,30.441 ccw(c105.154,36.454) 107.212,30.593 ccw(c105.162,36.427) 108.61,31.294 ccw(c105.111,36.507) 108.948,31.538 ccw(c105.071,36.558) 109.221,31.761 ccw(c105.029,36.608) 109.463,31.981 ccw(c104.983,36.655) 109.678,32.197 ccw(c104.936,36.7) 109.876,32.415 ccw(c104.885,36.744) 110.064,32.643 ccw(c104.832,36.786) 110.24,32.875 ccw(c104.778,36.826) 110.406,33.115 ccw(c104.72,36.863) 110.565,33.367 110.625,33.47 ; 104.857,29.631 ccw(c105.031,28.812) 104.521,29.477 ccw(c105.034,28.806) 104.246,29.111 ccw(c105.028,28.809) 104.195,28.903 ccw(c105.039,28.808) 104.191,28.847 ccw(c105.048,28.807) 104.19,28.807 ccw(c105.047,28.807) 104.191,28.763 ccw(c105.038,28.807) 104.196,28.705 ccw(c105.033,28.807) 104.99,27.966 ccw(c105.033,28.822) 105.033,27.964 ccw(c105.033,28.822) 105.077,27.966 ccw(c105.033,28.813) 105.135,27.971 ccw(c105.033,28.807) 105.875,28.764 ccw(c105.018,28.807) 105.876,28.807 ccw(c105.019,28.807) 105.875,28.851 ccw(c105.027,28.808) 105.87,28.908 ccw(c105.033,28.807) 105.33,29.596 ccw(c105.036,28.814) 105.209,29.631 ; 104.857,29.631 cw(c105.03,28.829) 104.887,29.637 cw(c105.031,28.822) 104.925,29.643 cw(c105.032,28.813) 104.972,29.648 cw(c105.033,28.805) 105.033,29.65 cw(c105.033,28.796) 105.054,29.65 cw(c105.034,28.813) 105.209,29.631 ; 104.857,29.631 104.961,29.145 ; 104.857,29.631 104.608,30.797 cw(c105.033,28.795) 105.018,30.842 cw(c105.032,28.785) 105.458,30.797 105.209,29.631 ; 104.961,29.145 ccw(c105.032,28.857) 104.942,29.139 ccw(c105.033,28.854) 104.923,29.133 ccw(c105.034,28.851) 104.908,29.126 ccw(c105.035,28.849) 104.895,29.12 ccw(c105.037,28.846) 104.884,29.114 ccw(c105.038,28.843) 104.873,29.107 ccw(c105.04,28.84) 104.863,29.101 ccw(c105.042,28.838) 104.853,29.094 ccw(c105.044,28.835) 104.843,29.086 ccw(c105.046,28.833) 104.834,29.079 ccw(c105.048,28.83) 104.825,29.07 ccw(c105.05,28.828) 104.815,29.061 ccw(c105.053,28.825) 104.806,29.051 ccw(c105.055,28.823) 104.797,29.04 ccw(c105.058,28.821) 104.787,29.028 ccw(c105.061,28.819) 104.777,29.015 ccw(c105.064,28.817) 104.767,29 ccw(c105.067,28.815) 104.757,28.982 ccw(c105.07,28.813) 104.747,28.962 ccw(c105.073,28.812) 104.737,28.939 ccw(c105.076,28.81) 104.729,28.914 ccw(c105.08,28.809) 104.722,28.888 ccw(c105.083,28.808) 104.718,28.865 ccw(c105.087,28.808) 104.715,28.843 ccw(c105.091,28.807) 104.714,28.824 ccw(c105.095,28.807) 104.713,28.807 ccw(c105.096,28.807) 104.713,28.799 ccw(c105.093,28.807) 104.714,28.781 ccw(c105.089,28.807) 104.716,28.761 ccw(c105.085,28.806) 104.72,28.738 ccw(c105.082,28.806) 104.725,28.713 ccw(c105.078,28.805) 104.733,28.687 ccw(c105.075,28.804) 104.742,28.663 ccw(c105.071,28.802) 104.753,28.641 ccw(c105.068,28.801) 104.763,28.622 ccw(c105.065,28.799) 104.773,28.605 ccw(c105.062,28.797) 104.783,28.591 ccw(c105.059,28.795) 104.793,28.578 ccw(c105.057,28.793) 104.803,28.567 ccw(c105.054,28.79) 104.812,28.556 ccw(c105.051,28.788) 104.822,28.547 ccw(c105.049,28.785) 104.832,28.538 ccw(c105.047,28.783) 104.841,28.53 ccw(c105.045,28.78) 104.851,28.522 ccw(c105.043,28.778) 104.862,28.515 ccw(c105.041,28.775) 104.872,28.508 ccw(c105.039,28.772) 104.883,28.501 ccw(c105.038,28.769) 104.895,28.494 ccw(c105.036,28.767) 104.908,28.488 ccw(c105.035,28.764) 104.924,28.482 ccw(c105.033,28.758) 105.015,28.461 ccw(c105.033,28.761) 105.033,28.461 105.038,28.461 ccw(c105.033,28.758) 105.114,28.472 ccw(c105.033,28.76) 105.136,28.479 ccw(c105.031,28.763) 105.152,28.486 ccw(c105.03,28.766) 105.166,28.492 ccw(c105.029,28.768) 105.178,28.499 ccw(c105.027,28.771) 105.189,28.505 ccw(c105.026,28.774) 105.2,28.512 ccw(c105.024,28.777) 105.211,28.519 ccw(c105.022,28.779) 105.22,28.526 ccw(c105.02,28.782) 105.23,28.534 ccw(c105.018,28.784) 105.24,28.543 ccw(c105.015,28.787) 105.249,28.552 ccw(c105.013,28.789) 105.259,28.562 ccw(c105.011,28.791) 105.268,28.573 ccw(c105.008,28.794) 105.278,28.585 ccw(c105.005,28.796) 105.288,28.598 ccw(c105.002,28.798) 105.298,28.613 ccw(c104.999,28.8) 105.308,28.631 ccw(c104.996,28.801) 105.318,28.651 ccw(c104.993,28.803) 105.328,28.674 ccw(c104.99,28.804) 105.337,28.699 ccw(c104.986,28.805) 105.344,28.725 ccw(c104.983,28.806) 105.348,28.749 ccw(c104.979,28.807) 105.351,28.77 ccw(c104.975,28.807) 105.352,28.79 ccw(c104.971,28.807) 105.353,28.807 ccw(c104.97,28.807) 105.353,28.815 ccw(c104.973,28.807) 105.352,28.833 ccw(c104.977,28.808) 105.35,28.853 ccw(c104.98,28.808) 105.346,28.875 ccw(c104.984,28.809) 105.341,28.9 ccw(c104.988,28.81) 105.333,28.926 ccw(c104.991,28.811) 105.324,28.951 ccw(c104.995,28.812) 105.314,28.973 ccw(c104.998,28.814) 105.304,28.992 ccw(c105.001,28.816) 105.293,29.008 ccw(c105.004,28.818) 105.284,29.022 ccw(c105.007,28.82) 105.274,29.035 ccw(c105.009,28.822) 105.264,29.046 ccw(c105.012,28.824) 105.255,29.057 ccw(c105.014,28.827) 105.245,29.066 ccw(c105.017,28.829) 105.236,29.075 ccw(c105.019,28.831) 105.226,29.083 ccw(c105.021,28.834) 105.217,29.091 ccw(c105.023,28.837) 105.207,29.098 ccw(c105.025,28.839) 105.197,29.105 ccw(c105.027,28.842) 105.186,29.111 ccw(c105.028,28.845) 105.175,29.118 ccw(c105.03,28.847) 105.163,29.124 ccw(c105.031,28.85) 105.149,29.13 ccw(c105.032,28.853) 105.132,29.137 ccw(c105.033,28.856) 105.105,29.145 ; 104.961,29.145 cw(c105.037,28.842) 104.966,29.146 ; 104.967,29.146 cw(c105.036,28.845) 104.973,29.147 cw(c105.035,28.848) 104.979,29.149 ; 104.966,29.146 cw(c105.036,28.845) 104.972,29.147 cw(c105.035,28.848) 104.978,29.148 ; 104.978,29.148 cw(c105.035,28.851) 104.985,29.15 cw(c105.034,28.854) 104.992,29.151 cw(c105.034,28.857) 104.999,29.152 cw(c105.033,28.86) 105.007,29.153 cw(c105.033,28.863) 105.017,29.153 cw(c105.033,28.866) 105.03,29.154 105.033,29.154 ; 104.979,29.149 cw(c105.035,28.851) 104.985,29.15 cw(c105.034,28.854) 104.992,29.151 cw(c105.034,28.857) 105,29.152 cw(c105.033,28.86) 105.008,29.153 cw(c105.033,28.863) 105.019,29.153 cw(c105.033,28.866) 105.033,29.154 ; 105.03,36.699 105.026,36.703 105.032,36.693 105.03,36.699 ; 105.033,29.154 cw(c105.033,28.866) 105.047,29.153 cw(c105.033,28.863) 105.057,29.153 cw(c105.033,28.86) 105.066,29.152 cw(c105.032,28.857) 105.074,29.151 cw(c105.032,28.854) 105.081,29.15 cw(c105.031,28.851) 105.087,29.149 ; 105.033,29.154 105.035,29.154 cw(c105.033,28.866) 105.048,29.153 cw(c105.033,28.863) 105.058,29.153 cw(c105.032,28.86) 105.067,29.152 cw(c105.032,28.857) 105.074,29.151 cw(c105.032,28.854) 105.081,29.15 cw(c105.031,28.851) 105.088,29.148 ; 105.088,29.148 cw(c105.031,28.848) 105.094,29.147 ; 105.087,29.149 cw(c105.031,28.848) 105.093,29.147 ; 105.093,29.147 cw(c105.03,28.845) 105.099,29.146 ; 105.094,29.147 cw(c105.03,28.845) 105.099,29.146 ; 105.099,29.146 cw(c105.029,28.842) 105.105,29.145 ; 105.099,29.146 cw(c105.029,28.842) 105.105,29.145 ; 105.105,29.145 105.209,29.631 ; 92.682,36.674 ccw(c92.385,36.674) 92.682,36.674 ; 96.356,27.724 ccw(c96.05,27.724) 96.356,27.724 ; 96.628,36.703 98.605,36.517 cw(c105.121,36.703) 98.602,36.703 cw(c105.116,36.703) 98.605,36.889 96.628,36.703 ; 96.891,36.674 ccw(c96.599,36.674) 96.891,36.674 ; 99.063,30.739 100.593,32.005 cw(c105.067,36.743) 100.459,32.135 cw(c105.069,36.745) 100.33,32.269 99.063,30.739 ; 99.36,30.723 ccw(c99.06,30.723) 99.36,30.723 ; 105.032,36.692 105.033,36.691 105.032,36.692 ; 105.332,23.985 ccw(c105.026,23.985) 105.332,23.985 ; 105.412,43.17 ccw(c105.04,43.17) 105.412,43.17 ; 106.07,36.674 ccw(c105.04,36.674) 106.07,36.674 ; 107.067,28.807 ccw(c105.033,28.807) 107.067,28.807 ; 109.475,32.005 ccw(c105.001,36.743) 109.609,32.135 ccw(c104.999,36.745) 109.738,32.269 111.005,30.739 109.475,32.005 ; 111.295,30.723 ccw(c110.992,30.723) 111.295,30.723 ; 111.492,36.517 ccw(c104.976,36.703) 111.494,36.703 ccw(c104.98,36.703) 111.492,36.889 113.469,36.703 111.492,36.517 ; 113.756,36.674 ccw(c113.452,36.674) 113.756,36.674 ; 114.294,27.719 ccw(c113.996,27.719) 114.294,27.719 ; 117.956,36.674 ccw(c117.667,36.674) 117.956,36.674

## Polygon pours and split planes (outlines as drawn)
no net on Top Overlay "NONET_L-01_P-001" (solid): 183 vertices, not listed, extent 118.103,12.848 121.347,15.931
no net on Top Overlay "NONET_L-01_P-001" (solid): 332 vertices, not listed, extent 90.008,12.516 92.92,15.679
no net on Top Overlay "NONET_L-01_P-001" (solid): 942 vertices, not listed, extent 92.827,11.218 95.684,14.341
no net on Top Overlay "NONET_L-01_P-001" (solid): 183 vertices, not listed, extent 95.38,9.913 97.98,13.165
no net on Top Overlay "NONET_L-01_P-001" (solid): 98.01,9.733 98.373,9.65 98.827,11.644 99.807,9.323 100.136,9.249 100.739,11.898 100.376,11.98 99.922,9.986 98.941,12.307 98.612,12.382
no net on Top Overlay "NONET_L-01_P-001" (solid): 101.075,9.097 101.395,11.795 103.276,11.572 103.235,11.225 101.724,11.405 101.627,10.591 103.076,10.419 103.035,10.072 101.586,10.245 101.486,9.401 103.028,9.217 102.986,8.87
no net on Top Overlay "NONET_L-01_P-001" (solid): 183 vertices, not listed, extent 103.723,8.784 105.815,11.544
no net on Top Overlay "NONET_L-01_P-001" (solid): 107.26,11.588 107.569,8.89 107.939,8.932 107.812,10.039 109.142,10.191 109.102,10.538 107.773,10.386 107.67,11.284 109.111,11.449 109.071,11.796
no net on Top Overlay "NONET_L-01_P-001" (solid): 109.56,11.899 110.054,9.227 110.42,9.295 109.926,11.966
no net on Top Overlay "NONET_L-01_P-001" (solid): 110.613,12.083 111.318,9.461 111.677,9.557 111.147,11.532 113.097,9.939 113.423,10.026 112.718,12.649 112.359,12.552 112.889,10.578 110.939,12.171
no net on Top Overlay "NONET_L-01_P-001" (solid): 154 vertices, not listed, extent 113.327,10.328 116.18,13.344
no net on Top Overlay "NONET_L-01_P-001" (solid): 116.491,13.831 116.874,13.108 118.163,13.79 118.327,13.481 117.037,12.799 117.435,12.048 118.806,12.774 118.97,12.465 117.269,11.566 115.999,13.966 117.672,14.851 117.835,14.543
no net on Top Overlay "NONET_L-01_P-001" (solid, pour order 46): 2626 vertices, not listed, extent 173.863,19.708 183.439,57.636
no net on Top Overlay "NONET_L-01_P-001" (solid, pour order 45): 3095 vertices, not listed, extent 180.221,48.649 188.678,56.325
no net on Top Overlay "NONET_L-01_P-001" (solid, pour order 47): 2626 vertices, not listed, extent 185.484,19.758 195.06,57.686
no net on Top Overlay "NONET_L-01_P-001" (solid, pour order 14): 655 vertices, not listed, extent 119.765,56.046 122.422,58.945
no net on Top Overlay "NONET_L-01_P-001" (solid, pour order 12): 183 vertices, not listed, extent 91.607,58.829 94.72,61.901
no net on Top Overlay "NONET_L-01_P-001" (solid, pour order 10): 309 vertices, not listed, extent 117.983,57.794 120.435,60.428
no net on Top Overlay "NONET_L-01_P-001" (solid, pour order 9): 942 vertices, not listed, extent 88.907,57.592 91.915,60.752
no net on Top Overlay "NONET_L-01_P-001" (solid, pour order 7): 331 vertices, not listed, extent 86.624,55.549 89.733,58.66
no net on Top Overlay "NONET_L-01_P-001" (solid, pour order 5): 1255 vertices, not listed, extent 121.615,54.769 124.255,57.434
no net on Top Overlay "NONET_L-01_P-001" (solid, pour order 4): 655 vertices, not listed, extent 115.601,58.864 118.037,61.793
no net on Top Overlay "NONET_L-01_P-001" (solid, pour order 15): 112.1,61.023 112.451,60.9 113.127,62.829 113.839,60.414 114.157,60.303 115.054,62.865 114.703,62.988 114.027,61.059 113.315,63.473 112.997,63.585
no net on Top Overlay "NONET_L-01_P-001" (solid, pour order 11): 109.092,61.735 109.498,61.645 109.941,62.294 111.157,62.022 111.282,61.247 111.688,61.156 111.188,64.052 110.775,64.144
no net on Top Overlay "NONET_L-01_P-001" (solid, pour order 6): 105.804,62.065 106.045,64.77 106.602,64.72 107.304,62.679 108.356,64.564 108.913,64.514 108.672,61.809 108.301,61.842 108.498,64.057 107.469,62.212 107.059,62.249 106.372,64.246 106.175,62.031
no net on Top Overlay "NONET_L-01_P-001" (solid, pour order 16): 734 vertices, not listed, extent 101.43,61.892 104.173,64.71
no net on Top Overlay "NONET_L-01_P-001" (solid, pour order 13): 98.897,61.288 98.339,63.948 98.67,64.017 100.53,62.316 100.11,64.319 100.475,64.395 101.033,61.735 100.702,61.666 98.842,63.367 99.262,61.364
no net on Top Overlay "NONET_L-01_P-001" (solid, pour order 8): 97.847,60.968 97.071,63.572 97.428,63.678 98.204,61.074
no net on Top Overlay "NONET_L-01_P-001" (solid, pour order 3): 95.119,59.977 94.132,62.509 94.447,62.632 96.561,61.26 95.818,63.166 96.165,63.302 97.152,60.77 96.837,60.647 94.723,62.019 95.466,60.113

## Silkscreen, mask and mechanical layers (free items; w line width, h text height)
Top Overlay:
  drawing of 16 lines, arcs and shapes, not listed
Bottom Overlay:
  region: 90.015,63.194 90.015,28.194 120.015,28.194 120.015,63.194
  region: 180.848,94.742 130.848,94.742 130.848,60.742 180.848,60.742
  text "ON" at 84.303,16.109 h6 r311.19
Top Solder:
  drawing of 557 lines, arcs and shapes, not listed
DXF:
  drawing of 87391 lines, arcs and shapes, not listed
Board Shape:
  circle w0.254: c104.902,67.183 r1.5
  lines w0.025: 102.409,66.61 ccw(c104.829,36.68) 107.394,66.598
  lines w0.051: 102.409,66.61 cw(c104.902,66.802) 107.394,66.602
SEEED:
  drawing of 4129 lines, arcs and shapes, not listed
  text "4.5707" at 98.45,31.66 h0.3 r90
  text "8.6360" at 105.053,31.657 h0.3 r90
  text "2.9944" at 93.445,30.722 h0.3 r90
  text "2.9944" at 116.279,30.339 h0.3 r90
  text "3.0480" at 102.259,29.888 h0.3 r90
  text "2.5400" at 105.053,29.888 h0.3 r90
  text "R1.9063" at 114.68,29.867 h0.3 r90
  text "1.0147" at 99.008,28.897 h0.3 r90
  text "1.8428" at 102.882,27.083 h0.3 r90
  text "4.1910" at 99.019,24.892 h0.3 r90
  text "2.5400" at 102.873,24.892 h0.3 r90
  text "1.7781" at 110.489,22.796 h0.3 r90
  text "2.5400" at 102.853,22.352 h0.3 r90
  text "1.1432" at 106.323,22.345 h0.3 r90
  text "2.9845" at 99.016,21.304 h0.3 r90
  text "2.0320" at 99.908,21.248 h0.3 r90
  text "0.8890" at 109.996,20.297 h0.3 r90
  text "1.0160" at 103.717,19.285 h0.3 r90
  text "2.7940" at 107.466,19.166 h0.3 r90
  text "1.9050" at 99.016,18.86 h0.3 r90
  text "20.9550" at 91.402,17.526 h0.3 r90
  text "15.2400" at 94.243,17.526 h0.3 r90
  text "2.7940" at 110.418,16.891 h0.3 r90
  text "1.2659" at 115.524,16.589 h0.3 r90
  text "1.0160" at 99.016,15.843 h0.3 r90
  text "4.4437" at 98.386,13.825 h0.3 r90
  text "6.8580" at 104.037,13.825 h0.3 r90
  text "0.9144" at 115.524,12.578 h0.3 r90
  text "2.5400" at 94.944,11.176 h0.3 r90
  text "1.6256" at 115.527,9.906 h0.3 r90
  text "R1.9063" at 114.514,5.364 h0.3 r90
  text "2.9944" at 116.378,4.614 h0.3 r90
  text "2.9944" at 93.121,4.006 h0.3 r90
  text "13.6255" at 105.171,3.591 h0.3 r90
  text "15.1615" at 105.014,1.529 h0.3 r90
  text "17.7800" at 105.325,-0.434 h0.3 r90
DXF2:
  drawing of 10535 lines, arcs and shapes, not listed